# Allegro board SG2042_EVB_V2_0.brd (continued)
## Routing (per net, layer and track width the routed paths; a pad name or vN(x,y) marks a point on that pad's centre or on a via; arc(x,y) is an arc through that point) (continued)
  TOP w0.381: U1.J56 v1(144.75,241.05) ; U1.BB51 v1(139.75,207.05) ; U1.AW47 v1(135.75,210.05) ; U1.BB46 v1(134.75,207.05) ; U1.AR45 v1(133.75,214.05) ; U1.R53 v1(141.75,235.05) ; U1.BF46 v1(134.75,203.05) ; U1.AU47 v1(135.75,212.05) ; U1.AC47 v1(135.75,227.05) ; U1.Y46 v1(134.75,230.05) ; U1.AG47 v1(135.75,223.05) ; U1.BC47 v1(135.75,206.05) ; U1.AF46 v1(134.75,224.05) ; U1.L49 v1(137.75,239.05) ; U1.K48 v1(136.75,240.05) ; U1.BD53 v1(141.75,205.05) ; U1.AD46 v1(134.75,226.05) ; U1.BA47 v1(135.75,208.05) ; U1.J49 v1(137.75,241.05) ; U1.K46 v1(134.75,240.05) ; U1.R45 v1(133.75,235.05) ; U1.BD50 v1(138.75,205.05) ; U1.AE47 v1(135.75,225.05) ; J2.61 168.07,233.38 ; U1.L45 v1(133.75,239.05) ; U1.J45 v1(133.75,241.05) ; U1.U45 v1(133.75,233.05) ; J2.59 168.07,235.08 ; U1.BH46 v1(134.75,201.05) ; U1.AL47 v1(135.75,218.05) ; U1.AA45 v1(133.75,229.05) ; U1.BF55 v1(143.75,203.05) ; U1.AU45 v1(133.75,212.05) ; U1.AM46 v1(134.75,217.05) ; U1.J47 v1(135.75,241.05) ; U1.N55 v1(143.75,237.05) ; U1.AW45 v1(133.75,210.05) ; U1.U47 v1(135.75,233.05) ; U1.R47 v1(135.75,235.05) ; U1.BG49 v1(137.75,202.05) ; U1.V48 v1(136.75,232.05) ; U1.AJ45 v1(133.75,220.05) ; U1.BD46 v1(134.75,205.05) ; U1.N47 v1(135.75,237.05) ; U1.BF52 v1(140.75,203.05) ; U1.L54 v1(142.75,239.05) ; U1.R50 v1(138.75,235.05) ; U1.M46 v1(134.75,238.05) ; U1.V46 v1(134.75,232.05) ; U1.AN45 v1(133.75,216.05) ; U1.AP48 v1(136.75,215.05) ; U1.BE45 v1(133.75,204.05) ; U1.AP46 v1(134.75,215.05) ; U1.AA47 v1(135.75,229.05) ; U1.AV48 v1(136.75,211.05) ; U1.N52 v1(140.75,237.05) ; U1.BC49 v1(137.75,206.05) ; U1.AW49 v1(137.75,210.05) ; U1.K53 v1(141.75,240.05) ; U1.W47 v1(135.75,231.05) ; U1.AT46 v1(134.75,213.05) ; U1.AY46 v1(134.75,209.05) ; U1.AG45 v1(133.75,223.05) ; U1.BA45 v1(133.75,208.05) ; U1.AL45 v1(133.75,218.05) ; U1.AC45 v1(133.75,227.05) ; U1.P46 v1(134.75,236.05) ; U1.AK46 v1(134.75,219.05) ; J2.67 167.85,227.74 ; U1.T46 v1(134.75,234.05) ; U1.BG47 v1(135.75,202.05) ; U1.BE49 v1(137.75,204.05) ; U1.L47 v1(135.75,239.05) ; U1.BF48 v1(136.75,203.05) ; U1.AH46 v1(134.75,222.05) ; U1.AU49 v1(137.75,212.05) ; U1.AV46 v1(134.75,211.05) ; U1.AN47 v1(135.75,216.05) ; U1.AW51 v1(139.75,210.05) ; U1.AB46 v1(134.75,228.05) ; U1.W45 v1(133.75,231.05) ; U1.AE45 v1(133.75,225.05) ; U1.BH48 v1(136.75,201.05) ; U1.AT48 v1(136.75,213.05) ; U1.L51 v1(139.75,239.05) ; U1.BC45 v1(133.75,206.05) ; U1.AR47 v1(135.75,214.05) ; U1.N49 v1(137.75,237.05) ; U1.N45 v1(133.75,237.05) ; U1.AJ47 v1(135.75,220.05) ; U1.BE47 v1(135.75,204.05)
  GND02 w0.254: J2.206 172.71,233.19 ; J2.206 172.05,232.53 ; J2.206 173.37,232.53 ; J2.206 172.71,231.86 ; 177.65,225.73 J1.70 ; J1.70 178.31,225.06 ; J1.70 178.97,225.73 ; J1.70 178.31,226.39 ; J2.85 167.31,208.54 ; J2.85 167.31,207.21 ; J2.85 166.65,207.88 ; J2.85 167.97,207.88 ; 179.85,223.18 J1.217 ; J1.217 180.51,222.51 ; J1.217 181.17,223.18 ; J1.217 180.51,223.84 ; 178.31,204.66 J1.88 ; J1.88 177.65,205.33 ; J1.88 178.31,205.99 ; J1.88 178.97,205.33 ; J1.209 181.17,229.98 ; J1.209 179.85,229.98 ; J1.209 180.51,230.64 ; J1.209 180.51,229.31 ; J1.73 176.71,223.84 ; J1.73 177.37,223.18 ; J1.73 176.05,223.18 ; J1.73 176.71,222.51 ; 168.25,220.63 J2.76 ; J2.76 168.91,221.29 ; J2.76 169.57,220.63 ; 167.31,208.91 J2.83 ; J2.83 167.31,210.24 ; J2.83 167.97,209.58 ; J2.83 166.65,209.58 ; J2.217 171.11,223.84 ; J2.217 171.77,223.18 ; J2.217 170.45,223.18 ; J2.217 171.11,222.51 ; J1.90 178.97,203.63 ; J1.90 177.65,203.63 ; J1.90 178.31,202.96 ; J1.90 178.31,204.29 ; J1.76 178.97,220.63 ; J1.76 178.31,221.29 ; J1.76 177.65,220.63 ; J1.223 181.17,212.98 ; J1.223 179.85,212.98 ; J1.223 180.51,213.64 ; J1.223 180.51,212.31 ; 177.65,201.93 J1.92 ; J1.92 178.97,201.93 ; J1.92 178.31,202.59 ; 182.11,226.76 J1.212 ; J1.212 182.11,228.09 ; J1.212 182.77,227.42 ; J1.212 181.45,227.42 ; 176.05,228.28 J1.67 ; J1.67 177.37,228.28 ; J1.67 176.71,227.61 ; J1.67 176.71,228.94 ; J2.209 171.11,230.64 ; J2.209 171.77,229.98 ; J2.209 170.45,229.98 ; J2.209 171.11,229.31 ; 172.71,209.76 J2.226 ; J2.226 172.71,211.09 ; J2.226 173.37,210.43 ; J2.226 172.05,210.43 ; J1.233 181.17,204.48 ; J1.233 179.85,204.48 ; J1.233 180.51,203.81 ; J1.233 180.51,205.14 ; 168.25,205.33 J2.88 ; J2.88 168.91,205.99 ; J2.88 168.91,204.66 ; J2.88 169.57,205.33 ; J1.83 177.37,209.58 ; J1.83 176.71,208.91 ; J1.83 176.71,210.24 ; J1.83 176.05,209.58 ; 181.45,234.23 J1.204 ; J1.204 182.77,234.23 ; J1.204 182.11,233.56 ; J1.204 182.11,234.89 ; J1.226 182.11,211.09 ; J1.226 182.11,209.76 ; J1.226 182.77,210.43 ; J1.226 181.45,210.43 ; J2.67 167.97,228.28 ; J2.67 166.65,228.28 ; J2.67 167.31,227.61 ; J2.67 167.31,228.94 ; J2.70 169.57,225.73 ; J2.70 168.25,225.73 ; J2.70 168.91,226.39 ; J2.70 168.91,225.06 ; J1.231 180.51,206.84 ; J1.231 181.17,206.18 ; J1.231 180.51,205.51 ; J1.231 179.85,206.18 ; 170.45,212.98 J2.223 ; J2.223 171.11,212.31 ; J2.223 171.77,212.98 ; J2.223 171.11,213.64 ; 166.65,233.38 J2.61 ; J2.61 167.31,232.71 ; J2.61 167.97,233.38 ; J2.61 167.31,234.04 ; 172.71,233.56 J2.204 ; J2.204 172.71,234.89 ; J2.204 173.37,234.23 ; J2.204 172.05,234.23 ; J2.59 167.97,235.08 ; J2.59 167.31,235.74 ; J2.59 167.31,234.41 ; J2.59 166.65,235.08 ; 176.71,207.21 J1.85 ; J1.85 176.05,207.88 ; J1.85 176.71,208.54 ; J1.85 177.37,207.88 ; 176.05,235.08 J1.59 ; J1.59 176.71,235.74 ; J1.59 176.71,234.41 ; J1.59 177.37,235.08 ; 177.65,230.83 J1.64 ; J1.64 178.31,230.16 ; J1.64 178.31,231.49 ; J1.64 178.97,230.83 ; 167.31,222.51 J2.73 ; J2.73 167.97,223.18 ; J2.73 166.65,223.18 ; J2.73 167.31,223.84 ; J2.220 173.37,220.63 ; J2.220 172.05,220.63 ; J2.220 172.71,221.29 ; J1.80 178.97,212.13 ; J1.80 178.31,211.46 ; J1.80 177.65,212.13 ; J1.80 178.31,212.79 ; J1.215 181.17,224.88 ; J1.215 180.51,225.54 ; J1.215 180.51,224.21 ; J1.215 179.85,224.88 ; 170.45,224.88 J2.215 ; J2.215 171.77,224.88 ; J2.215 171.11,224.21 ; J2.215 171.11,225.54 ; J1.236 182.77,201.93 ; J1.236 181.45,201.93 ; J1.236 182.11,202.59 ; J2.92 169.57,201.93 ; J2.92 168.25,201.93 ; J2.92 168.91,202.59 ; J2.212 172.71,228.09 ; J2.212 173.37,227.42 ; J2.212 172.05,227.42 ; J2.212 172.71,226.76 ; J2.64 169.57,230.83 ; J2.64 168.91,231.49 ; J2.64 168.91,230.16 ; J2.64 168.25,230.83 ; J1.61 177.37,233.38 ; J1.61 176.71,232.71 ; J1.61 176.05,233.38 ; J1.61 176.71,234.04 ; J2.80 169.57,212.13 ; J2.80 168.25,212.13 ; J2.80 168.91,212.79 ; J2.80 168.91,211.46 ; J2.231 171.11,206.84 ; J2.231 171.77,206.18 ; J2.231 170.45,206.18 ; J2.231 171.11,205.51 ; 171.11,203.81 J2.233 ; J2.233 170.45,204.48 ; J2.233 171.11,205.14 ; J2.233 171.77,204.48 ; 172.05,201.93 J2.236 ; J2.236 173.37,201.93 ; J2.236 172.71,202.59 ; J1.220 182.11,221.29 ; J1.220 182.77,220.63 ; J1.220 181.45,220.63 ; 170.45,207.88 J2.229 ; J2.229 171.11,208.54 ; J2.229 171.11,207.21 ; J2.229 171.77,207.88 ; 182.11,231.86 J1.206 ; J1.206 181.45,232.53 ; J1.206 182.11,233.19 ; J1.206 182.77,232.53 ; J2.90 169.57,203.63 ; J2.90 168.91,204.29 ; J2.90 168.91,202.96 ; J2.90 168.25,203.63 ; 180.51,207.21 J1.229 ; J1.229 180.51,208.54 ; J1.229 181.17,207.88 ; J1.229 179.85,207.88
  ART03 w0.254: 167.31,208.91 J2.83 ; J2.83 167.31,210.24 ; J2.83 167.97,209.58 ; J1.236 182.11,202.59 ; J1.236 181.45,201.93 ; J1.236 182.11,201.26 ; J1.236 182.77,201.93 ; 172.05,210.43 J2.226 ; J2.226 172.71,209.76 ; J2.226 172.71,211.09 ; J2.226 173.37,210.43 ; 170.45,224.88 J2.215 ; J2.215 171.77,224.88 ; J2.215 171.11,224.21 ; 178.31,225.06 J1.70 ; J1.70 177.65,225.73 ; J1.70 178.97,225.73 ; J1.70 178.31,226.39 ; J1.59 176.71,235.74 ; J1.59 177.37,235.08 ; J1.59 176.71,234.41 ; J1.59 176.05,235.08 ; 170.45,229.98 J2.209 ; J2.209 171.11,229.31 ; J2.209 171.77,229.98 ; J2.206 172.71,233.19 ; J2.206 173.37,232.53 ; J2.206 172.71,231.86 ; J2.206 172.05,232.53 ; 179.85,229.98 J1.209 ; J1.209 180.51,229.31 ; J1.209 180.51,230.64 ; J1.209 181.17,229.98 ; J2.80 168.91,212.79 ; J2.80 169.57,212.13 ; J2.80 168.91,211.46 ; J2.80 168.25,212.13 ; J1.220 182.11,221.29 ; J1.220 181.45,220.63 ; J1.220 182.77,220.63 ; J1.220 182.11,219.96 ; J2.204 173.37,234.23 ; J2.204 172.71,233.56 ; J2.204 172.05,234.23 ; J2.204 172.71,234.89 ; J1.80 178.31,212.79 ; J1.80 178.31,211.46 ; J1.80 178.97,212.13 ; J1.80 177.65,212.13 ; 180.51,203.81 J1.233 ; J1.233 179.85,204.48 ; J1.233 181.17,204.48 ; J1.233 180.51,205.14 ; 168.25,220.63 J2.76 ; J2.76 169.57,220.63 ; J2.76 168.91,221.29 ; J2.76 168.91,219.96 ; J1.223 180.51,213.64 ; J1.223 180.51,212.31 ; J1.223 181.17,212.98 ; J1.223 179.85,212.98 ; J1.83 176.71,210.24 ; J1.83 176.05,209.58 ; J1.83 177.37,209.58 ; J1.83 176.71,208.91 ; J1.226 182.77,210.43 ; J1.226 181.45,210.43 ; J1.226 182.11,211.09 ; J1.226 182.11,209.76 ; 176.05,233.38 J1.61 ; J1.61 176.71,234.04 ; J1.61 177.37,233.38 ; J1.61 176.71,232.71 ; J1.64 178.31,231.49 ; J1.64 178.31,230.16 ; J1.64 177.65,230.83 ; J1.64 178.97,230.83 ; J1.217 180.51,223.84 ; J1.217 180.51,222.51 ; J1.217 181.17,223.18 ; J1.217 179.85,223.18 ; J1.212 182.77,227.42 ; J1.212 182.11,226.76 ; J1.212 181.45,227.42 ; J1.212 182.11,228.09 ; J1.73 176.71,223.84 ; J1.73 176.05,223.18 ; J1.73 176.71,222.51 ; J1.73 177.37,223.18 ; J1.85 176.71,208.54 ; J1.85 177.37,207.88 ; J1.85 176.05,207.88 ; J1.85 176.71,207.21 ; J1.231 180.51,206.84 ; J1.231 180.51,205.51 ; J1.231 179.85,206.18 ; J1.231 181.17,206.18 ; J1.215 181.17,224.88 ; J1.215 180.51,224.21 ; J1.215 179.85,224.88 ; J1.215 180.51,225.54 ; J1.67 176.71,228.94 ; J1.67 176.05,228.28 ; J1.67 176.71,227.61 ; J1.67 177.37,228.28 ; 171.11,207.21 J2.229 ; J2.229 170.45,207.88 ; J2.229 171.77,207.88 ; J2.229 171.11,208.54 ; J2.236 172.71,202.59 ; J2.236 173.37,201.93 ; J2.236 172.05,201.93 ; J2.236 172.71,201.26 ; 168.91,201.26 J2.92 ; J2.92 169.57,201.93 ; J2.92 168.91,202.59 ; J1.206 182.77,232.53 ; J1.206 181.45,232.53 ; J1.206 182.11,231.86 ; J1.206 182.11,233.19 ; 169.57,225.73 J2.70 168.91,225.06 ; 171.11,212.31 J2.223 ; J2.223 171.11,213.64 ; J2.223 171.77,212.98 ; J2.223 170.45,212.98 ; 177.65,201.93 J1.92 ; J1.92 178.97,201.93 ; J1.92 178.31,202.59 ; J1.92 178.31,201.26 ; J1.76 178.31,221.29 ; J1.76 177.65,220.63 ; J1.76 178.97,220.63 ; J1.76 178.31,219.96 ; J1.229 180.51,208.54 ; J1.229 180.51,207.21 ; J1.229 179.85,207.88 ; J1.229 181.17,207.88 ; 177.65,203.63 J1.90 ; J1.90 178.97,203.63 ; J1.90 178.31,204.29 ; J1.90 178.31,202.96 ; J1.204 182.77,234.23 ; J1.204 181.45,234.23 ; J1.204 182.11,234.89 ; J1.204 182.11,233.56 ; 172.71,226.76 J2.212 ; J2.212 172.05,227.42 ; J2.212 172.71,228.09 ; J2.212 173.37,227.42 ; J2.220 173.37,220.63 ; J2.220 172.71,221.29 ; J2.220 172.71,219.96 ; J2.220 172.05,220.63 ; 169.57,203.63 J2.90 168.91,202.96 ; J2.73 167.97,223.18 ; J2.73 167.31,222.51 ; J2.73 167.31,223.84 ; 169.57,230.83 J2.64 168.91,231.49 ; J2.217 171.77,223.18 ; J2.217 171.11,223.84 ; J2.217 170.45,223.18 ; J2.217 171.11,222.51 ; J2.231 171.77,206.18 ; J2.231 171.11,206.84 ; J2.231 170.45,206.18 ; J1.88 178.97,205.33 ; J1.88 178.31,205.99 ; J1.88 177.65,205.33 ; J1.88 178.31,204.66 ; 167.31,208.54 J2.85 167.97,207.88
  ART03 w0.381: J2.61 167.87,232.82 ; 183.69,265.46 183.69,275.59 v1(185.67,277.57) v1(185.67,279.65) ; J2.233 171.93,204.48 ; J2.67 168.1,228.28
  GND06 w0.254: 181.45,227.42 J1.212 ; J1.212 182.11,226.76 ; J1.212 182.11,228.09 ; J1.212 182.77,227.42 ; 172.71,209.76 J2.226 ; J2.226 173.37,210.43 ; J2.226 172.71,211.09 ; J2.226 172.05,210.43 ; 180.51,224.21 J1.215 ; J1.215 179.85,224.88 ; J1.215 180.51,225.54 ; J1.215 181.17,224.88 ; J2.220 172.71,221.29 ; J2.220 172.05,220.63 ; J2.220 173.37,220.63 ; J2.220 172.71,219.96 ; 172.71,201.26 J2.236 ; J2.236 173.37,201.93 ; J2.236 172.71,202.59 ; J2.236 172.05,201.93 ; 168.91,201.26 J2.92 ; J2.92 168.25,201.93 ; J2.92 169.57,201.93 ; J2.92 168.91,202.59 ; J2.217 171.11,223.84 ; J2.217 171.77,223.18 ; J2.217 170.45,223.18 ; J2.217 171.11,222.51 ; J2.67 167.31,228.94 ; J2.67 166.65,228.28 ; J2.67 167.31,227.61 ; J2.67 167.97,228.28 ; J2.70 168.91,226.39 ; J2.70 168.25,225.73 ; J2.70 169.57,225.73 ; J2.70 168.91,225.06 ; 178.31,219.96 J1.76 ; J1.76 178.31,221.29 ; J1.76 178.97,220.63 ; J1.76 177.65,220.63 ; 181.45,210.43 J1.226 ; J1.226 182.77,210.43 ; J1.226 182.11,209.76 ; J1.226 182.11,211.09 ; 168.25,203.63 J2.90 ; J2.90 169.57,203.63 ; J2.90 168.91,202.96 ; J2.90 168.91,204.29 ; 178.31,201.26 J1.92 ; J1.92 178.31,202.59 ; J1.92 178.97,201.93 ; J1.92 177.65,201.93 ; J1.220 182.11,221.29 ; J1.220 182.77,220.63 ; J1.220 182.11,219.96 ; J1.220 181.45,220.63 ; 180.51,212.31 J1.223 ; J1.223 180.51,213.64 ; J1.223 179.85,212.98 ; J1.223 181.17,212.98 ; J2.215 171.11,225.54 ; J2.215 171.77,224.88 ; J2.215 171.11,224.21 ; J2.215 170.45,224.88 ; 180.51,229.31 J1.209 ; J1.209 181.17,229.98 ; J1.209 180.51,230.64 ; J1.209 179.85,229.98 ; J2.212 172.71,228.09 ; J2.212 172.05,227.42 ; J2.212 173.37,227.42 ; J2.212 172.71,226.76 ; 181.45,201.93 J1.236 ; J1.236 182.11,201.26 ; J1.236 182.11,202.59 ; J1.236 182.77,201.93 ; 167.31,207.21 J2.85 ; J2.85 167.31,208.54 ; J2.85 167.97,207.88 ; J2.85 166.65,207.88 ; 168.91,230.16 J2.64 ; J2.64 168.25,230.83 ; J2.64 168.91,231.49 ; J2.64 169.57,230.83 ; 168.91,204.66 J2.88 ; J2.88 169.57,205.33 ; J2.88 168.25,205.33 ; J2.88 168.91,205.99 ; 178.31,230.16 J1.64 ; J1.64 178.97,230.83 ; J1.64 178.31,231.49 ; J1.64 177.65,230.83 ; 166.65,223.18 J2.73 ; J2.73 167.97,223.18 ; J2.73 167.31,222.51 ; J2.73 167.31,223.84 ; 180.51,222.51 J1.217 ; J1.217 180.51,223.84 ; J1.217 179.85,223.18 ; J1.217 181.17,223.18 ; J2.229 171.11,208.54 ; J2.229 170.45,207.88 ; J2.229 171.11,207.21 ; J2.229 171.77,207.88 ; 177.65,225.73 J1.70 ; J1.70 178.97,225.73 ; J1.70 178.31,225.06 ; J1.70 178.31,226.39 ; 176.71,227.61 J1.67 ; J1.67 176.71,228.94 ; J1.67 177.37,228.28 ; J1.67 176.05,228.28 ; J2.76 168.91,221.29 ; J2.76 169.57,220.63 ; J2.76 168.91,219.96 ; J2.76 168.25,220.63 ; J1.83 177.37,209.58 ; J1.83 176.71,208.91 ; J1.83 176.71,210.24 ; J1.83 176.05,209.58 ; J1.88 178.31,205.99 ; J1.88 178.31,204.66 ; J1.88 178.97,205.33 ; J1.88 177.65,205.33 ; 166.65,209.58 J2.83 ; J2.83 167.31,208.91 ; J2.83 167.31,210.24 ; J2.83 167.97,209.58 ; 176.71,222.51 J1.73 ; J1.73 177.37,223.18 ; J1.73 176.05,223.18 ; J1.73 176.71,223.84 ; J1.231 181.17,206.18 ; J1.231 179.85,206.18 ; J1.231 180.51,206.84 ; J1.231 180.51,205.51 ; 179.85,204.48 J1.233 ; J1.233 180.51,205.14 ; J1.233 181.17,204.48 ; J1.233 180.51,203.81 ; J1.85 177.37,207.88 ; J1.85 176.05,207.88 ; J1.85 176.71,208.54 ; J1.85 176.71,207.21 ; J2.233 171.77,204.48 ; J2.233 170.45,204.48 ; J2.233 171.11,205.14 ; J2.233 171.11,203.81 ; 181.45,232.53 J1.206 ; J1.206 182.11,233.19 ; J1.206 182.11,231.86 ; J1.206 182.77,232.53 ; J2.80 169.57,212.13 ; J2.80 168.25,212.13 ; J2.80 168.91,212.79 ; J2.80 168.91,211.46 ; 179.85,207.88 J1.229 ; J1.229 181.17,207.88 ; J1.229 180.51,207.21 ; J1.229 180.51,208.54 ; J2.59 167.97,235.08 ; J2.59 166.65,235.08 ; J2.59 167.31,234.41 ; J2.59 167.31,235.74 ; 172.05,232.53 J2.206 ; J2.206 173.37,232.53 ; J2.206 172.71,231.86 ; J2.206 172.71,233.19 ; J2.223 171.11,213.64 ; J2.223 171.77,212.98 ; J2.223 170.45,212.98 ; J2.223 171.11,212.31 ; 172.05,234.23 J2.204 ; J2.204 172.71,233.56 ; J2.204 172.71,234.89 ; J2.204 173.37,234.23 ; J2.231 171.11,206.84 ; J2.231 171.77,206.18 ; J2.231 170.45,206.18 ; J2.231 171.11,205.51 ; 178.31,202.96 J1.90 ; J1.90 177.65,203.63 ; J1.90 178.31,204.29 ; J1.90 178.97,203.63 ; J2.209 171.77,229.98 ; J2.209 171.11,230.64 ; J2.209 171.11,229.31 ; J2.209 170.45,229.98 ; 181.45,234.23 J1.204 ; J1.204 182.11,234.89 ; J1.204 182.77,234.23 ; J1.204 182.11,233.56 ; J1.80 178.31,212.79 ; J1.80 177.65,212.13 ; J1.80 178.97,212.13 ; J1.80 178.31,211.46 ; 176.05,233.38 J1.61 ; J1.61 176.71,234.04 ; J1.61 177.37,233.38 ; J1.61 176.71,232.71 ; 167.31,232.71 J2.61 ; J2.61 166.65,233.38 ; J2.61 167.97,233.38 ; J2.61 167.31,234.04 ; 176.71,234.41 J1.59 ; J1.59 176.71,235.74 ; J1.59 176.05,235.08 ; J1.59 177.37,235.08
  GND11 w0.254: J2.83 167.97,209.58 ; J2.83 166.65,209.58 ; J2.83 167.31,208.91 ; J2.83 167.31,210.24 ; J2.215 171.77,224.88 ; J2.215 171.11,224.21 ; J2.215 170.45,224.88 ; J2.215 171.11,225.54 ; J2.67 167.31,228.94 ; J2.67 167.97,228.28 ; J2.67 167.31,227.61 ; J2.67 166.65,228.28 ; 171.11,212.31 J2.223 ; J2.223 171.11,213.64 ; J2.223 170.45,212.98 ; J2.223 171.77,212.98 ; J2.90 168.91,204.29 ; J2.90 168.91,202.96 ; J2.90 168.25,203.63 ; J2.90 169.57,203.63 ; 170.45,207.88 J2.229 ; J2.229 171.77,207.88 ; J2.229 171.11,208.54 ; J2.229 171.11,207.21 ; 168.25,230.83 J2.64 ; J2.64 168.91,231.49 ; J2.64 169.57,230.83 ; J2.64 168.91,230.16 ; 172.05,232.53 J2.206 ; J2.206 173.37,232.53 ; J2.206 172.71,231.86 ; J2.206 172.71,233.19 ; J2.209 171.11,230.64 ; J2.209 171.11,229.31 ; J2.209 171.77,229.98 ; J2.209 170.45,229.98 ; J2.76 169.57,220.63 ; J2.76 168.25,220.63 ; J2.76 168.91,221.29 ; J2.76 168.91,219.96 ; J2.73 167.31,223.84 ; J2.73 167.31,222.51 ; J2.73 167.97,223.18 ; J2.73 166.65,223.18 ; 172.05,210.43 J2.226 ; J2.226 172.71,211.09 ; J2.226 172.71,209.76 ; 166.65,235.08 J2.59 ; J2.59 167.97,235.08 ; J2.59 167.31,235.74 ; J2.59 167.31,234.41 ; 172.71,233.56 J2.204 ; J2.204 172.05,234.23 ; J2.204 172.71,234.89 ; 166.65,233.38 J2.61 ; J2.61 167.31,232.71 ; J2.61 167.97,233.38 ; J2.61 167.31,234.04 ; J2.88 169.57,205.33 ; J2.88 168.91,204.66 ; J2.88 168.91,205.99 ; J2.88 168.25,205.33 ; J2.70 168.91,226.39 ; J2.70 168.91,225.06 ; J2.70 168.25,225.73 ; J2.70 169.57,225.73 ; 167.31,207.21 J2.85 ; J2.85 166.65,207.88 ; J2.85 167.97,207.88 ; J2.85 167.31,208.54 ; J2.233 171.77,204.48 ; J2.233 170.45,204.48 ; J2.233 171.11,203.81 ; J2.233 171.11,205.14 ; J2.231 171.11,206.84 ; J2.231 171.77,206.18 ; J2.231 170.45,206.18 ; J2.231 171.11,205.51 ; J2.92 169.57,201.93 ; J2.92 168.91,202.59 ; J2.92 168.25,201.93 ; J2.92 168.91,201.26 ; 171.11,222.51 J2.217 ; J2.217 171.77,223.18 ; J2.217 170.45,223.18 ; J2.217 171.11,223.84 ; J2.212 173.37,227.42 ; J2.212 172.71,228.09 ; J2.212 172.71,226.76 ; J2.212 172.05,227.42 ; J2.236 172.71,202.59 ; J2.236 172.05,201.93 ; J2.236 172.71,201.26 ; 172.05,220.63 J2.220 ; J2.220 172.71,219.96 ; J2.220 172.71,221.29 ; J2.80 169.57,212.13 ; J2.80 168.91,212.79 ; J2.80 168.25,212.13 ; J2.80 168.91,211.46
  ART12 w0.254: 168.91,230.16 J2.64 ; J2.64 168.25,230.83 ; J2.64 169.57,230.83 ; J2.64 168.91,231.49 ; J2.212 173.37,227.42 ; J2.212 172.71,228.09 ; J2.212 172.05,227.42 ; J2.212 172.71,226.76 ; 176.05,223.18 J1.73 ; J1.73 176.71,222.51 ; J1.73 176.71,223.84 ; J1.73 177.37,223.18 ; J1.215 181.17,224.88 ; J1.215 180.51,224.21 ; J1.215 179.85,224.88 ; J1.215 180.51,225.54 ; 169.57,220.63 J2.76 168.91,219.96 ; 171.11,205.51 J2.231 ; J2.231 170.45,206.18 ; J2.231 171.77,206.18 ; J2.231 171.11,206.84 ; 177.65,212.13 J1.80 ; J1.80 178.31,212.79 ; J1.80 178.97,212.13 ; J1.80 178.31,211.46 ; J1.236 182.11,202.59 ; J1.236 182.11,201.26 ; J1.236 181.45,201.93 ; J1.236 182.77,201.93 ; J1.204 182.77,234.23 ; J1.204 181.45,234.23 ; J1.204 182.11,234.89 ; J1.204 182.11,233.56 ; 178.31,201.26 J1.92 ; J1.92 178.31,202.59 ; J1.92 177.65,201.93 ; J1.92 178.97,201.93 ; 172.71,209.76 J2.226 ; J2.226 173.37,210.43 ; J2.226 172.05,210.43 ; J2.226 172.71,211.09 ; 168.25,205.33 J2.88 ; J2.88 169.57,205.33 ; J2.88 168.91,204.66 ; J2.88 168.91,205.99 ; J1.229 180.51,208.54 ; J1.229 181.17,207.88 ; J1.229 179.85,207.88 ; J1.229 180.51,207.21 ; J1.83 177.37,209.58 ; J1.83 176.71,208.91 ; J1.83 176.05,209.58 ; J1.83 176.71,210.24 ; J2.229 171.11,208.54 ; J2.229 170.45,207.88 ; J2.229 171.11,207.21 ; J2.229 171.77,207.88 ; 177.65,203.63 J1.90 ; J1.90 178.31,204.29 ; J1.90 178.31,202.96 ; J1.90 178.97,203.63 ; 170.45,212.98 J2.223 ; J2.223 171.11,213.64 ; J2.223 171.77,212.98 ; 181.45,232.53 J1.206 ; J1.206 182.11,233.19 ; J1.206 182.77,232.53 ; J1.206 182.11,231.86 ; 171.11,224.21 J2.215 ; J2.215 170.45,224.88 ; J2.215 171.77,224.88 ; J2.215 171.11,225.54 ; 171.11,203.81 J2.233 ; J2.233 170.45,204.48 ; J2.233 171.11,205.14 ; J2.233 171.77,204.48 ; J1.220 182.77,220.63 ; J1.220 182.11,219.96 ; J1.220 182.11,221.29 ; J1.220 181.45,220.63 ; J1.217 181.17,223.18 ; J1.217 180.51,222.51 ; J1.217 179.85,223.18 ; J1.217 180.51,223.84 ; 167.31,232.71 J2.61 ; J2.61 167.97,233.38 ; J2.61 167.31,234.04 ; 168.91,225.06 J2.70 ; J2.70 169.57,225.73 ; J2.70 168.25,225.73 ; 176.05,228.28 J1.67 ; J1.67 176.71,227.61 ; J1.67 177.37,228.28 ; J1.67 176.71,228.94 ; 169.57,201.93 J2.92 168.91,202.59 ; J1.59 177.37,235.08 ; J1.59 176.71,234.41 ; J1.59 176.05,235.08 ; J1.70 178.97,225.73 ; J1.70 178.31,226.39 ; J1.70 178.31,225.06 ; J1.70 177.65,225.73 ; 181.45,210.43 J1.226 ; J1.226 182.77,210.43 ; J1.226 182.11,211.09 ; J1.226 182.11,209.76 ; J2.220 173.37,220.63 ; J2.220 172.71,221.29 ; J2.220 172.05,220.63 ; J2.220 172.71,219.96 ; 179.85,206.18 J1.231 ; J1.231 181.17,206.18 ; J1.231 180.51,206.84 ; J1.231 180.51,205.51 ; 180.51,212.31 J1.223 ; J1.223 179.85,212.98 ; J1.223 180.51,213.64 ; J1.223 181.17,212.98 ; 179.85,229.98 J1.209 ; J1.209 181.17,229.98 ; J1.209 180.51,230.64 ; J1.209 180.51,229.31 ; J1.61 176.71,234.04 ; J1.61 176.05,233.38 ; J1.61 177.37,233.38 ; J1.61 176.71,232.71 ; 181.45,227.42 J1.212 ; J1.212 182.11,226.76 ; J1.212 182.11,228.09 ; J1.212 182.77,227.42 ; J2.204 173.37,234.23 ; J2.204 172.05,234.23 ; J2.204 172.71,234.89 ; J2.204 172.71,233.56 ; 178.31,219.96 J1.76 ; J1.76 178.31,221.29 ; J1.76 178.97,220.63 ; J1.76 177.65,220.63 ; J1.233 181.17,204.48 ; J1.233 180.51,203.81 ; J1.233 179.85,204.48 ; J1.233 180.51,205.14 ; 177.65,205.33 J1.88 ; J1.88 178.31,204.66 ; J1.88 178.31,205.99 ; J1.88 178.97,205.33 ; J1.64 178.31,231.49 ; J1.64 178.97,230.83 ; J1.64 178.31,230.16 ; J1.64 177.65,230.83 ; 167.97,223.18 J2.73 167.31,223.84 ; 167.31,234.41 J2.59 167.97,235.08 ; 168.25,203.63 J2.90 ; J2.90 169.57,203.63 ; J2.90 168.91,204.29 ; J2.90 168.91,202.96 ; J2.217 171.11,223.84 ; J2.217 170.45,223.18 ; J2.217 171.77,223.18 ; 169.57,212.13 J2.80 168.91,211.46 ; J2.206 172.71,233.19 ; J2.206 172.71,231.86 ; J2.206 173.37,232.53 ; J2.206 172.05,232.53 ; J2.236 173.37,201.93 ; J2.236 172.71,202.59 ; J2.236 172.71,201.26 ; J2.236 172.05,201.93 ; 167.97,207.88 J2.85 167.31,207.21 ; 176.05,207.88 J1.85 ; J1.85 176.71,208.54 ; J1.85 177.37,207.88 ; J1.85 176.71,207.21 ; J2.209 171.11,230.64 ; J2.209 171.11,229.31 ; J2.209 170.45,229.98 ; J2.209 171.77,229.98 ; 167.31,228.94 J2.67 167.97,228.28
  ART12 w0.381: J2.83 168.15,209.58
  ART14 w0.203: v1(198.12,189.94) 197.41,190.65 197.41,205.36 196.22,206.55 194.08,206.55 193.5,205.97 193.5,205.26 193.29,205.05 v1(192.56,205.05)
  ART14 w0.381: v1(130.75,221.05) 132.75,221.05 v1(133.75,220.05)
  GND15 w0.254: 168.25,230.83 J2.64 ; J2.64 168.91,231.49 ; J2.64 169.57,230.83 ; J2.64 168.91,230.16 ; 177.65,203.63 J1.90 ; J1.90 178.31,204.29 ; J1.90 178.97,203.63 ; J1.90 178.31,202.96 ; 168.25,203.63 J2.90 ; J2.90 168.91,204.29 ; J2.90 168.91,202.96 ; J2.90 169.57,203.63 ; J1.223 181.17,212.98 ; J1.223 179.85,212.98 ; J1.223 180.51,212.31 ; J1.223 180.51,213.64 ; 181.45,201.93 J1.236 ; J1.236 182.77,201.93 ; J1.236 182.11,202.59 ; 178.31,204.66 J1.88 ; J1.88 178.97,205.33 ; J1.88 177.65,205.33 ; J1.88 178.31,205.99 ; 180.51,205.51 J1.231 ; J1.231 179.85,206.18 ; J1.231 181.17,206.18 ; J1.231 180.51,206.84 ; 171.11,205.51 J2.231 ; J2.231 170.45,206.18 ; J2.231 171.77,206.18 ; J2.231 171.11,206.84 ; 180.51,222.51 J1.217 ; J1.217 180.51,223.84 ; J1.217 181.17,223.18 ; J1.217 179.85,223.18 ; J2.61 167.97,233.38 ; J2.61 167.31,234.04 ; J2.61 166.65,233.38 ; J2.61 167.31,232.71 ; 179.85,204.48 J1.233 ; J1.233 180.51,205.14 ; J1.233 181.17,204.48 ; J1.233 180.51,203.81 ; J1.215 181.17,224.88 ; J1.215 179.85,224.88 ; J1.215 180.51,225.54 ; J1.215 180.51,224.21 ; 178.31,211.46 J1.80 ; J1.80 177.65,212.13 ; J1.80 178.97,212.13 ; J1.80 178.31,212.79 ; J1.209 180.51,230.64 ; J1.209 179.85,229.98 ; J1.209 180.51,229.31 ; J1.209 181.17,229.98 ; 172.05,232.53 J2.206 ; J2.206 173.37,232.53 ; J2.206 172.71,233.19 ; J2.206 172.71,231.86 ; J2.59 167.97,235.08 ; J2.59 167.31,234.41 ; J2.59 166.65,235.08 ; J2.59 167.31,235.74 ; J2.67 167.97,228.28 ; J2.67 166.65,228.28 ; J2.67 167.31,227.61 ; J2.67 167.31,228.94 ; J1.59 176.71,235.74 ; J1.59 177.37,235.08 ; J1.59 176.05,235.08 ; J1.59 176.71,234.41 ; J1.85 176.71,208.54 ; J1.85 176.71,207.21 ; J1.85 177.37,207.88 ; J1.85 176.05,207.88 ; J2.76 168.91,221.29 ; J2.76 168.91,219.96 ; J2.76 169.57,220.63 ; J2.76 168.25,220.63 ; 180.51,207.21 J1.229 ; J1.229 179.85,207.88 ; J1.229 180.51,208.54 ; J1.229 181.17,207.88 ; J2.85 167.97,207.88 ; J2.85 166.65,207.88 ; J2.85 167.31,208.54 ; J2.85 167.31,207.21 ; J2.70 169.57,225.73 ; J2.70 168.91,225.06 ; J2.70 168.25,225.73 ; J2.70 168.91,226.39 ; J2.83 167.31,210.24 ; J2.83 166.65,209.58 ; J2.83 167.97,209.58 ; J2.83 167.31,208.91 ; J2.223 171.77,212.98 ; J2.223 170.45,212.98 ; J2.223 171.11,212.31 ; J2.223 171.11,213.64 ; 171.11,203.81 J2.233 ; J2.233 171.11,205.14 ; J2.233 170.45,204.48 ; J2.233 171.77,204.48 ; 181.45,234.23 J1.204 ; J1.204 182.11,233.56 ; J1.204 182.77,234.23 ; J1.204 182.11,234.89 ; J2.220 173.37,220.63 ; J2.220 172.71,219.96 ; J2.220 172.71,221.29 ; J2.220 172.05,220.63 ; 181.45,220.63 J1.220 ; J1.220 182.11,219.96 ; J1.220 182.77,220.63 ; J1.220 182.11,221.29 ; J2.80 169.57,212.13 ; J2.80 168.91,211.46 ; J2.80 168.25,212.13 ; J2.80 168.91,212.79 ; J1.70 178.31,226.39 ; J1.70 178.31,225.06 ; J1.70 178.97,225.73 ; J1.70 177.65,225.73 ; J1.61 177.37,233.38 ; J1.61 176.71,232.71 ; J1.61 176.71,234.04 ; J1.61 176.05,233.38 ; 170.45,207.88 J2.229 ; J2.229 171.11,207.21 ; J2.229 171.11,208.54 ; J2.229 171.77,207.88 ; J2.217 171.77,223.18 ; J2.217 171.11,222.51 ; J2.217 171.11,223.84 ; J2.217 170.45,223.18 ; 170.45,224.88 J2.215 ; J2.215 171.77,224.88 ; J2.215 171.11,224.21 ; J2.215 171.11,225.54 ; J1.206 182.11,233.19 ; J1.206 181.45,232.53 ; J1.206 182.11,231.86 ; J1.206 182.77,232.53 ; J2.204 172.71,234.89 ; J2.204 172.71,233.56 ; J2.204 173.37,234.23 ; J2.204 172.05,234.23 ; 172.05,210.43 J2.226 ; J2.226 172.71,211.09 ; J2.226 173.37,210.43 ; J2.226 172.71,209.76 ; 172.05,201.93 J2.236 ; J2.236 173.37,201.93 ; J2.236 172.71,202.59 ; 181.45,227.42 J1.212 ; J1.212 182.77,227.42 ; J1.212 182.11,226.76 ; J1.212 182.11,228.09 ; J2.209 171.11,230.64 ; J2.209 171.11,229.31 ; J2.209 170.45,229.98 ; J2.209 171.77,229.98 ; J1.83 177.37,209.58 ; J1.83 176.05,209.58 ; J1.83 176.71,210.24 ; J1.83 176.71,208.91 ; J1.67 177.37,228.28 ; J1.67 176.05,228.28 ; J1.67 176.71,227.61 ; J1.67 176.71,228.94 ; 166.65,223.18 J2.73 ; J2.73 167.31,222.51 ; J2.73 167.97,223.18 ; J2.73 167.31,223.84 ; J1.76 178.31,221.29 ; J1.76 177.65,220.63 ; J1.76 178.31,219.96 ; J1.76 178.97,220.63 ; J2.88 169.57,205.33 ; J2.88 168.91,205.99 ; J2.88 168.25,205.33 ; J2.88 168.91,204.66 ; J1.73 176.71,223.84 ; J1.73 177.37,223.18 ; J1.73 176.71,222.51 ; J1.73 176.05,223.18 ; 181.45,210.43 J1.226 ; J1.226 182.11,211.09 ; J1.226 182.77,210.43 ; J1.226 182.11,209.76 ; J2.212 173.37,227.42 ; J2.212 172.71,226.76 ; J2.212 172.71,228.09 ; J2.212 172.05,227.42 ; 177.65,230.83 J1.64 ; J1.64 178.31,231.49 ; J1.64 178.97,230.83 ; J1.64 178.31,230.16 ; J1.92 178.31,202.59 ; J1.92 177.65,201.93 ; J1.92 178.97,201.93 ; J2.92 169.57,201.93 ; J2.92 168.25,201.93 ; J2.92 168.91,202.59
  BOTTOM w0.381: FB15.2 v1(130.75,229.05) ; v1(133.75,225.05) C209.2 v1(134.75,224.05) C213.2 v1(135.75,223.05) C214.2 ; v1(133.75,218.05) C218.2 v1(134.75,219.05) C219.2 v1(135.75,220.05) C217.2 ; C251.2 v1(134.75,203.05) C252.2 v1(135.75,204.05) C248.2 ; C260.2 v1(139.75,239.05) ; C231.2 v1(136.75,213.05) C230.2 v1(135.75,212.05) C234.2 v1(134.75,211.05) C233.2 v1(133.75,210.05) ; C208.2 v1(135.75,227.05) C207.2 v1(134.75,228.05) C203.2 v1(133.75,229.05) ; C245.2 v1(137.75,206.05) ; C267.2 v1(143.75,203.05) ; v1(133.75,227.05) C206.2 v1(134.75,226.05) C210.2 v1(135.75,225.05) C211.2 ; v1(134.75,201.05) C256.2 v1(135.75,202.05) C253.2 v1(136.75,203.05) C254.2 v1(137.75,204.05) C249.2 v1(138.75,205.05) C250.2 ; C238.2 v1(139.75,210.05) ; v1(136.75,201.05) C257.2 v1(137.75,202.05) C255.2 ; C184.2 v1(137.75,241.05) ; C258.2 v1(144.75,241.05) ; C237.2 v1(137.75,210.05) ; C187.2 v1(135.75,239.05) C186.2 v1(134.75,240.05) C181.2 v1(133.75,241.05) ; C223.2 v1(135.75,216.05) C225.2 v1(134.75,215.05) C224.2 v1(133.75,214.05) ; v1(133.75,204.05) C246.2 v1(134.75,205.05) C247.2 v1(135.75,206.05) C244.2 ; C241.2 v1(135.75,208.05) C243.2 v1(134.75,207.05) C242.2 v1(133.75,206.05) ; FB13.2 v1(130.75,221.05) ; C263.2 v1(141.75,235.05) ; C266.2 v1(140.75,203.05) ; C264.2 v1(143.75,237.05) ; v1(133.75,212.05) C228.2 v1(134.75,213.05) C229.2 v1(135.75,214.05) C226.2 v1(136.75,215.05) C227.2 ; C265.2 v1(141.75,205.05) ; v1(133.75,223.05) C212.2 v1(134.75,222.05) C216.2 ; C205.2 v1(135.75,229.05) C204.2 v1(134.75,230.05) C199.2 v1(133.75,231.05) ; v1(137.75,239.05) C188.2 v1(136.75,240.05) C183.2 v1(135.75,241.05) C182.2 ; C215.2 v1(133.75,220.05) ; v1(141.75,240.05) C259.2 v1(142.75,239.05) ; C191.2 v1(135.75,237.05) C190.2 v1(134.75,238.05) C185.2 v1(133.75,239.05) ; C195.2 v1(137.75,237.05) ; C194.2 v1(135.75,235.05) C193.2 v1(134.75,236.05) C189.2 v1(133.75,237.05) ; C202.2 v1(136.75,232.05) C198.2 v1(135.75,233.05) C197.2 v1(134.75,234.05) C192.2 v1(133.75,235.05) ; C232.2 v1(137.75,212.05) C236.2 v1(136.75,211.05) C235.2 v1(135.75,210.05) C240.2 v1(134.75,209.05) C239.2 v1(133.75,208.05) ; v1(133.75,233.05) C196.2 v1(134.75,232.05) C200.2 v1(135.75,231.05) C201.2 ; C262.2 v1(140.75,237.05) ; C220.2 v1(135.75,218.05) C222.2 v1(134.75,217.05) C221.2 v1(133.75,216.05) ; C261.2 v1(138.75,235.05)
  vias: v1(152.98,258.65) v1(152.98,258.09) v1(152.98,257.53) v1(152.98,184.58) v1(152.98,184.02) v1(152.98,183.46) v1(153.54,258.09) v1(153.54,257.53) v1(153.54,184.58) v1(153.54,184.02) v1(154.1,257.53) v1(154.1,184.58) v1(174.75,210.26) v1(174.75,204.93) v1(175.31,224.43) v1(185.12,233.58) v1(185.12,232.77) v1(185.12,225.3) v1(185.12,224.49) v1(185.12,204.42) v1(185.12,203.61) v1(185.93,233.58) v1(185.93,232.77) v1(185.93,225.3) v1(185.93,224.49) v1(185.93,204.42) v1(185.93,203.61) v1(186.74,233.58) v1(186.74,232.77) v1(186.74,225.3) v1(186.74,224.49) v1(186.74,204.42) v1(186.74,203.61) v1(190.42,205.59) v1(190.42,205.05) v1(190.42,204.52) v1(190.42,203.99) v1(190.42,203.45) v1(190.96,205.59) v1(190.96,205.05) v1(190.96,204.52) v1(190.96,203.99) v1(190.96,203.45) v1(191.06,211.96) v1(191.06,211.15) v1(191.06,210.34) v1(191.49,205.59) v1(191.49,205.05) v1(191.49,204.52) v1(191.49,203.99) v1(191.49,203.45) v1(191.87,211.96) v1(191.87,211.15) v1(191.87,210.34) v1(192.02,205.59) v1(192.02,205.05) v1(192.02,204.52) v1(192.02,203.99) v1(192.02,203.45) v1(192.56,205.59) v1(192.56,204.52) v1(192.56,203.99) v1(192.56,203.45)
